# Altium PCB MB_PCB.PcbDoc (part 3 of 4) (continued)
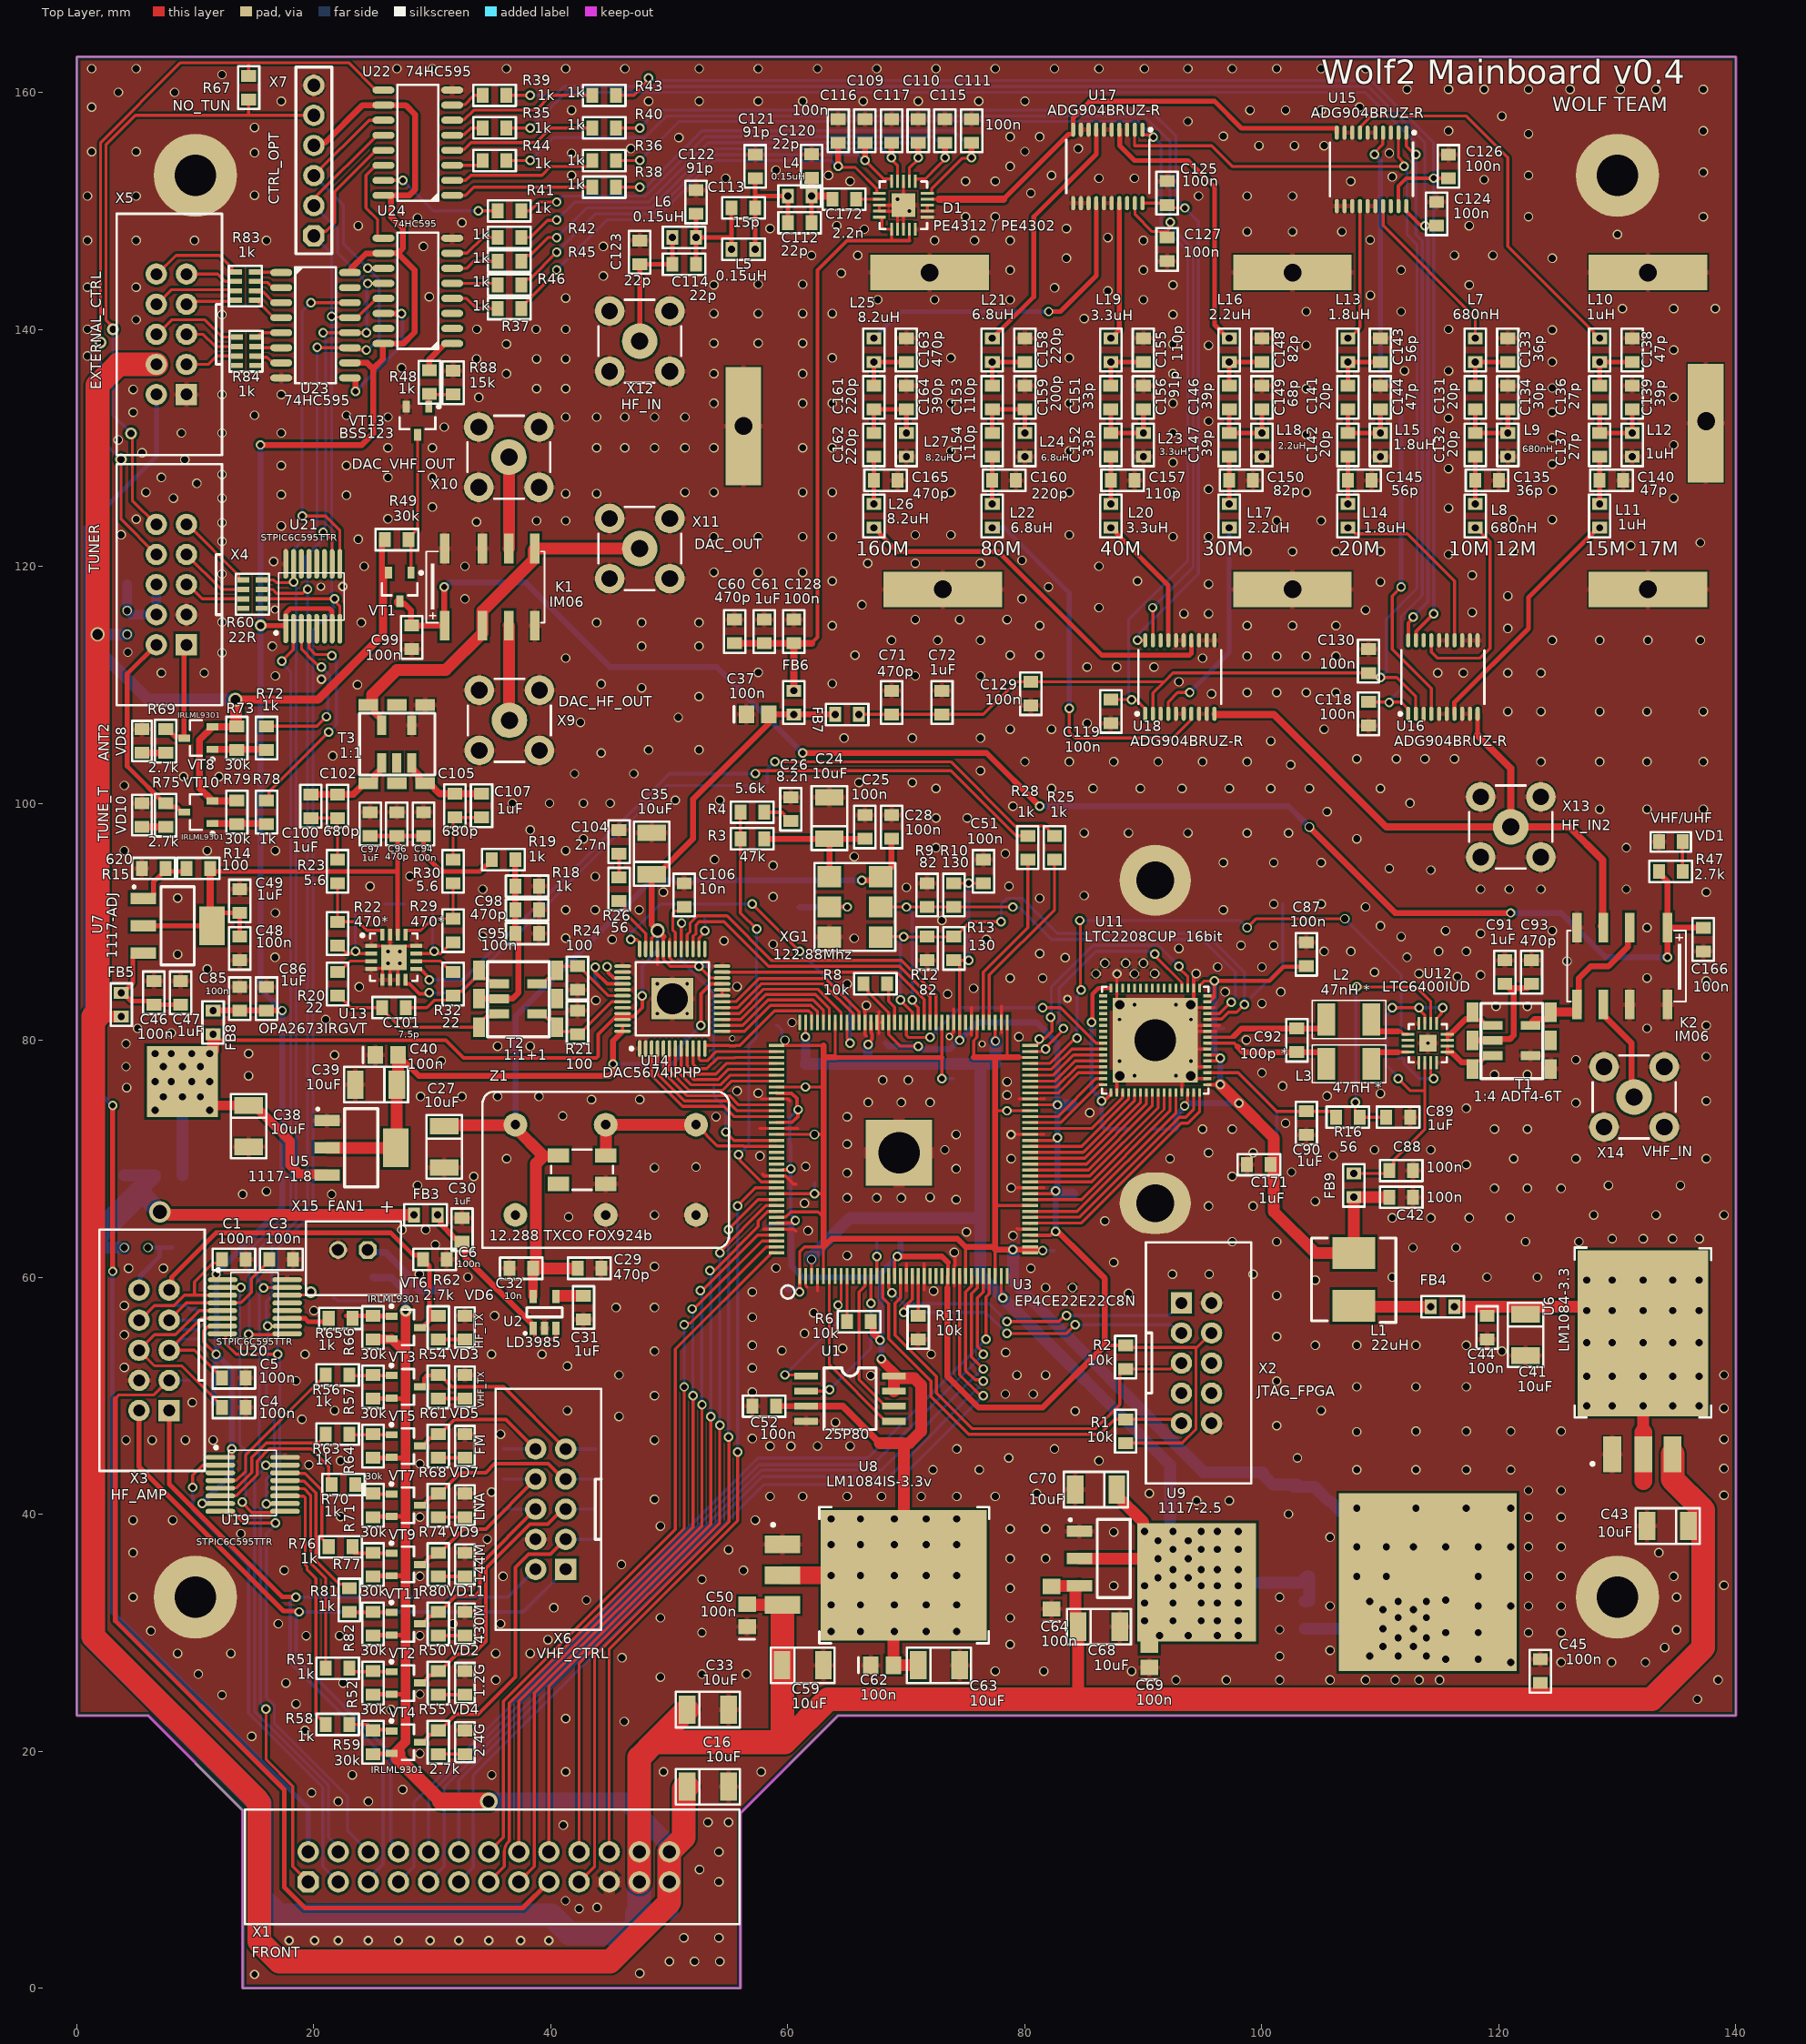
[diagram p0: Top Layer view]
## Nets (pads, with @x,y where several pads share a name; then routed paths per layer and width w, separated by ;. In a path a pad name is that pad's centre, name@x,y a point inside that pad or via, vN(x,y) a via of type N, cw(c..) or ccw(c..) an arc to the next point about the centre after c; other vN are vias at no path point) (continued)
  Top Layer w0.254: U3.15@68,60.1 68,58.25 68.5,57.75 68.5,54.816 72.077,51.239 72.077,49.923 75.25,46.75 86.33,46.75 87.58,48 R1.1@88.5,48 92.462,48 92.792,47.67 X2.9@93.21,47.67
K_1.2G: R51.2 U19.12 | length 18.1
  Top Layer w0.254: U19.12@16.95,42.175 16.966,42.159 19.163,42.159 19.73,41.591 19.73,35.892 21,34.622 R51.2@21,27
K_2.4G: R58.2 U19.11 | length 22.3
  Top Layer w0.254: U19.11@16.95,41.525 19.127,41.525 19.276,41.376 19.276,35.704 19.424,35.556 19.424,35.326 20.173,34.577 20.173,23.077 20.502,22.748 20.627,22.748 21,22.375 R58.2@21,22.25
K_144: R76.2 U19.14 | length 9.2
  Top Layer w0.254: U19.14@16.982,43.443 19.241,43.443 20.673,42.011 20.673,37.952 21,37.625 R76.2@21,37.25
K_430: R81.2 U19.13 | length 13.1
  Top Layer w0.254: U19.13@16.982,42.793 16.997,42.809 18.757,42.809 18.772,42.793 19.17,42.793 20.184,41.78 20.184,36.08 22.179,34.085 22.665,34.085 R81.2@23,33.75
K_FM: R63.2 U19.5 | length 11.6
  Top Layer w0.254: U19.5@12.103,42.19 12.135,42.222 13.466,42.222 14.758,43.514 14.758,44.783 15.975,46 20.375,46 21,46.625 R63.2@21,46.75
K_LNA: R70.2 U19.6 | length 13.2
  Top Layer w0.254: U19.6@12.55,41.525 12.597,41.572 13.458,41.572 15.212,43.326 15.212,44.49 16.222,45.5 19.773,45.5 21.25,44.023 R70.2@21.25,42.5
K_TX: R56.2 U19.4 | length 12.6
  Top Layer w0.254: U19.4@13.003,42.825 13.05,42.872 13.474,42.872 14.25,43.648 14.25,45 20.502,51.252 20.627,51.252 21,51.625 R56.2@21,51.75
K_VHF: R48.1 U24.1 | length 3.5
  Top Layer w0.5: R48.1@29.75,136.541 29.75,137.475 31.077,138.802 U24.1@31.675,138.802 31.704,138.802 U24.1@31.75,138.756
MB_THERM: R85.2 X1.17 X3.3 | length 78
  Top Layer w0.254: 3.25,49.75 3.563,50.063 6.492,50.063 7.719,51.29 X3.3@7.79,51.29
  Top Layer w0.4: 3.25,49.75 3.25,31 17.5,16.75 17.5,8.5 19.25,6.75 37.63,6.75 X1.17@39.84,8.96
  Bottom Layer w0.254: X3.3@7.79,51.29 R85.2@9.5,51.29
NetC24_1: C24.1 C25.1 R3.1 XG1.1 | length 11.7
  Top Layer w0.5: R3.1@58,97 C24.1@63.5,97 ; XG1.1@63.5,93.79 C24.1@63.5,97 ; C25.1@66.5,97 C24.1@63.5,97
NetC26_1: C26.1 R4.2 | length 2.6
  Top Layer w0.3: R4.2@58,99.25 59.5,99.25 59.676,99.074 59.676,98.949 60.125,98.5 C26.1@60.25,98.5
NetC30_1: C30.1 FB3.1 U2.1 U2.3 | length 16.5
  Top Layer w0.3: U2.1@38.515,55.684 38.665,55.534 38.665,55.011 38.926,54.75 40.165,54.75 40.415,55 U2.3@40.415,55.684
  Top Layer w0.5: v1(30.438,65.25) 30.688,65 30.688,64.512 31.95,63.25 32.25,63.25 C30.1@32.5,63 32.75,62.75 32.75,61.698 38.465,55.984 38.465,55.734 U2.1@38.515,55.684
NetC31_1: C31.1 U2.4 | length 2.1
  Top Layer w1: U2.4@40.615,58.435 C31.1@42.75,58.435
NetC41_1: C41.1 C44.1 FB4.2 U6.2 | length 23.6
  Top Layer w1: v1(116.25,57.5) 127.4,57.5 U6.2@127.4,54.925 ; U6.2@127.193,55.133 U6.2@129.56,57.5 ; 132.175,46.9 U6.2@132.175,49.375
  Top Layer w1.5: 132.175,42.8 132.175,46.9
  other v1: 127.4,49.15 129.56,49.15 132.175,49.15 134.655,49.15 136.9,49.15 127.4,51.625 129.56,51.625 132.175,51.625 134.655,51.625 136.9,51.625 127.4,54.475 129.56,54.475 132.175,54.475 134.655,54.475 136.9,54.475 127.4,57.175 129.56,57.175 132.175,57.175 134.655,57.175 136.9,57.175 127.4,59.75 129.56,59.75 132.175,59.75 134.655,59.75 136.9,59.75
NetC46_1: C46.1 C47.1 FB5.1 U7.3 | length 9.8
  Top Layer w0.4: v1(3.75,84) FB5.1@3.875,84 ; U7.3@5.6,87.365 5,87.365 4.725,87.09 4.725,84.85 FB5.1@3.875,84 ; C47.1@8.75,83 C46.1@6.5,83 6.2,83.3 4.575,83.3 FB5.1@3.875,84
NetC88_1: C88.1 FB9.2 U12.1 U12.3 U12.10 | length 30.1
  Top Layer w0.254: v1(107.75,68.75) 110.5,68.75 111.123,69.373 111.123,69.873 113.75,72.5 113.75,75.747 ; v2(111,82.75) v2(113.25,82.75) 113.25,82.602 113.748,82.104 113.748,81.427 U12.3@113.75,81.425 ; v2(111.493,76.75) 112.496,75.747 113.75,75.747 ; U12.10@113.75,78.1 113.75,75.747 ; U12.1@114.75,81.425 114.75,81.846 115.146,82.242 115.146,82.646 v2(115.25,82.75)
  Bottom Layer w0.254: v2(111,82.75) 111,82.602 110.5,82.102 110.5,77.891 111.493,76.898 v2(111.493,76.75) ; v2(113.25,82.75) v2(115.25,82.75)
NetC89_2: C89.2 R16.2 U12.2 | length 22
  Top Layer w0.254: v2(107.877,74.75) 107.877,73.873 R16.2@108.25,73.5 C89.2@110.5,73.5 ; v2(108,84.5) 113,84.5 114.248,83.252 114.248,81.427 U12.2@114.25,81.425
  Bottom Layer w0.254: v2(107.877,74.75) 107.938,74.812 107.938,84.439 v2(108,84.5)
NetC90_2: C90.2 R16.1 U11.3 | length 12.5
  Top Layer w0.254: U11.3@95.4,77.25 98,77.25 101.25,74 C90.2@103.75,74 105.875,74 106.25,73.625 R16.1@106.25,73.5
NetC91_1: C91.1 C93.1 T1.2 T1.8 | length 10.2
  Top Layer w0.5: T1.2@117.79,79.98 T1.8@119.5,79.98 119.63,80.11 120.959,80.11 121.252,80.403 121.252,83.998 C91.1@120.5,84.75 ; C91.1@121,84.4 122.4,84.4 C93.1@122.75,84.75
NetC92_1: C92.1 L2.1 U11.9 | length 10.8
  Top Layer w0.3: U11.9@95.4,80.25 97.549,80.25 97.649,80.35
  Top Layer w0.5: 97.649,80.35 98.299,81 C92.1@102.946,81 104.95,81 105.45,81.5 L2.1@105.45,81.75
NetC92_2: C92.2 L3.1 U11.8 | length 11.1
  Top Layer w0.3: U11.8@95.4,79.75 97.649,79.75 97.94,79.459
  Top Layer w0.5: 97.94,79.459 98.399,79 104.95,79 105.45,78.5 L3.1@105.45,78
NetC95_2: C95.2 C98.2 R18.1 R19.2 T2.2 T2.8 | length 14.9
  Top Layer w0.5: T2.2@33.95,83.5 36.75,83.5 37.25,84 37.25,88.75 C95.2@37,89 C98.2@37,91 R18.1@37,93 R19.2@37,95.25
NetC100_1: C100.1 C102.1 T3.1 T3.7 | length 7.7
  Top Layer w0.6: C100.1@19.673,100.75 23.325,100.75 24.275,101.7 T3.1@24.6,101.7 24.925,101.7 25.125,101.9 25.125,102.36 25.73,102.965 T3.7@25.73,103.41
NetC100_2: C100.2 C102.2 R23.1 | length 5.6
  Top Layer w0.254: C100.2@19.867,98.75 C102.2@22,98.75 R23.1@22,95.25
NetC101_1: C101.1 R20.2 T2.3 T2.9 | length 15.5
  Top Layer w0.254: R20.2@22,83.75 22.125,83.75 23.125,82.75 C101.1@25.75,82.75 25.75,82.625 27.275,81.1 T2.3@33.95,81.1 33.95,81.425 34.502,81.977 35.407,81.977 T2.9@35.66,82.23
NetC101_2: C101.2 R32.2 T2.1 T2.7 | length 9.7
  Top Layer w0.254: C101.2@27.75,82.75 29.528,82.75 30.155,83.377 31.377,83.377 R32.2@31.75,83.75 32.123,84.123 32.498,84.123 T2.1@33.95,85.575 ; T2.1@33.95,85.9 T2.1@33.95,85.575 ; T2.7@35.66,84.77 35.407,85.023 34.827,85.023 34.648,85.202 34.323,85.202 T2.1@33.95,85.575
NetC103_1: C103.1 R27.1 | length 1.7
  Bottom Layer w0.254: C103.1@26,91.5 R27.1@27.65,91.5
NetC103_2: C103.2 R22.2 U13.2 | length 7.3
  Top Layer w0.254: R22.2@22,88 22.125,88 22.8,87.325 U13.2@24.85,87.325
  Bottom Layer w0.254: v2(23.5,87.5) 23.5,91.002 23.998,91.5 C103.2@24,91.5
NetC104_1: C104.1 R26.1 | length 2
  Top Layer w0.3: R26.1@45.75,93.75 C104.1@45.75,95.75
NetC105_1: C105.1 C107.1 T3.3 T3.9 | length 7.5
  Top Layer w0.6: T3.9@28.27,103.41 28.27,102.965 28.875,102.36 28.875,101.9 29.075,101.7 T3.3@29.4,101.7 29.725,101.7 30.625,100.8 C107.1@34.15,100.8
NetC105_2: C105.2 C107.2 R30.1 | length 5.9
  Top Layer w0.254: R30.1@31.75,95.25 31.75,98.65 C105.2@31.9,98.8 C107.2@34.15,98.8
NetC106_1: C106.1 U14.30 | length 4.3
  Top Layer w0.254: U14.30@50.5,87.7 50.5,89.072 50.296,89.276 50.296,90.751 50.445,90.899 50.897,90.899 C106.1@51.25,91.252
NetC108_1: C108.1 U14.39 | length 4
  Top Layer w0.3: v2(44.748,86.192) 44.844,86.096 44.844,85.699 45.293,85.25 U14.39@46.05,85.25
  Bottom Layer w0.3: v2(44.748,86.192) 44.844,86.096 44.844,85.766 45.875,84.735 C108.1@46,84.735
NetC112_1: C112.1 C120.1 C172.2 L4.2 | length 5.4
  Top Layer w0.4: C112.1@62,149.25 v1(62,151.25) ; C172.2@63.475,151.25 C172.2@63.75,150.975
  Top Layer w0.6: C120.1@62,152.773 v1(62,151.25) C172.2@63.475,151.25
NetC112_2: C112.2 C113.1 C121.1 L4.1 L5.2 | length 10.7
  Top Layer w0.4: v1(57.25,146.75) C113.1@57.25,150.25 57.25,151.25 ; C121.1@57.25,152.75 57.25,151.25 ; C112.2@60,149.25 v1(60,151.25) 57.25,151.25
NetC113_2: C113.2 C114.1 C122.1 L5.1 L6.2 | length 10.8
  Top Layer w0.4: C114.1@52.25,145.496 C122.1@52.25,149.75 ; v1(52.25,147.75) 55.25,147.75 ; v1(55.25,146.75) 55.25,147.75 ; C113.2@55.25,150.25 55.25,147.75
NetC114_2: C114.2 C123.1 L6.1 X12.1 | length 11.5
  Top Layer w0.4: X12.1@47.5,139 C123.1@47.5,145.5 50.246,145.5 C114.2@50.25,145.496 v1(50.25,147.75)
NetC131_1: C131.1 C132.2 C134.2 L9.2 | length 6.7
  Top Layer w0.4: C131.1@118,133.25 C132.2@118,131.25 v1(120.75,131.25) C134.2@120.75,133.25
NetC131_2: C131.2 C133.2 L7.1 | length 4.7
  Top Layer w0.4: C131.2@118,135.25 v1(118,137.25) C133.2@120.75,137.25
NetC132_1: C132.1 C135.2 L8.2 | length 4
  Top Layer w0.4: v1(118,125.25) C135.2@118,127.25 C132.1@118,129.25
NetC136_1: C136.1 C137.2 C139.2 L12.2 | length 6.8
  Top Layer w0.4: C136.1@128.5,133.25 C137.2@128.5,131.25 v1(131.25,131.25) C139.2@131.25,133.25
NetC136_2: C136.2 C138.2 L10.1 | length 4.7
  Top Layer w0.4: C136.2@128.5,135.25 v1(128.5,137.25) C138.2@131.25,137.25
NetC137_1: C137.1 C140.2 L11.2 | length 4
  Top Layer w0.4: v1(128.5,125.25) C140.2@128.5,127.25 C137.1@128.5,129.25
NetC141_1: C141.1 C142.2 C144.2 L15.2 | length 6.7
  Top Layer w0.4: C141.1@107.25,133.25 C142.2@107.25,131.25 v1(110,131.25) C144.2@110,133.25
NetC141_2: C141.2 C143.2 L13.1 | length 4.8
  Top Layer w0.4: C141.2@107.25,135.25 v1(107.25,137.25) C143.2@110,137.25
NetC142_1: C142.1 C145.2 L14.2 | length 4
  Top Layer w0.4: v1(107.25,125.25) C145.2@107.25,127.25 C142.1@107.25,129.25
NetC146_1: C146.1 C147.2 C149.2 L18.2 | length 6.8
  Top Layer w0.4: C146.1@97.25,133.25 C147.2@97.25,131.25 v1(100,131.25) C149.2@100,133.25
NetC146_2: C146.2 C148.2 L16.1 | length 4.7
  Top Layer w0.4: C146.2@97.25,135.25 v1(97.25,137.25) C148.2@100,137.25
NetC147_1: C147.1 C150.2 L17.2 | length 4
  Top Layer w0.4: v1(97.25,125.25) C147.1@97.25,129.25
NetC151_1: C151.1 C152.2 C156.2 L23.2 | length 6.7
  Top Layer w0.4: C151.1@87.25,133.249 C152.2@87.25,131.25 v1(90,131.25) C156.2@90,133.25
NetC151_2: C151.2 C155.2 L19.1 | length 4.8
  Top Layer w0.4: C151.2@87.249,135.25 v1(87.25,137.25) C155.2@90,137.25
NetC152_1: C152.1 C157.2 L20.2 | length 4
  Top Layer w0.4: v1(87.25,125.25) C152.1@87.25,129.25
NetC153_1: C153.1 C154.2 C159.2 L24.2 | length 6.7
  Top Layer w0.4: C154.2@77.25,131.25 C153.1@77.25,133.25 C159.2@80,133.25 v1(80,131.25)
NetC153_2: C153.2 C158.2 L21.1 | length 4.7
  Top Layer w0.4: C153.2@77.25,135.25 v1(77.25,137.25) C158.2@80,137.25
NetC154_1: C154.1 C160.2 L22.2 | length 4
  Top Layer w0.4: v1(77.25,125.25) C160.2@77.25,127.25 C154.1@77.25,129.25
NetC161_1: C161.1 C162.2 C164.2 L27.2 | length 6.7
  Top Layer w0.4: C162.2@67.25,131.25 C161.1@67.25,133.25 C164.2@70,133.25 v1(70,131.25)
NetC161_2: C161.2 C163.2 L25.1 | length 4.7
  Top Layer w0.4: C161.2@67.25,135.25 v1(67.25,137.25) C163.2@70,137.25
NetC162_1: C162.1 C165.2 L26.2 | length 4
  Top Layer w0.4: v1(67.25,125.25) C165.2@67.25,127.25 C162.1@67.25,129.25
NetC172_1: C172.1 D1.2 | length 2
  Top Layer w0.254: C172.1@65.75,150.975 D1.2@67.725,150.975
NetC174_2: C174.2 FB10.1 U11.32 U11.49 | length 16.7
  Top Layer w0.3: v2(86.456,74.892) 86.552,74.987 86.812,74.987 87.25,75.425 U11.49@87.25,75.6
  Top Layer w0.35: v2@85.695,81.616 85.695,83.898 86.199,84.402 87.248,84.402 U11.32@87.25,84.4
  Bottom Layer w0.35: v2(85.631,81.526) 85.631,75.839 86.456,75.013 v2(86.456,74.892) 86.456,72.794 C174.2@86.75,72.5 FB10.1@88.75,72.5
NetFB4_1: FB4.1 L1.1 | length 6.7
  Top Layer w0.254: FB4.1@114.159,57.591 v1(114.25,57.5)
  Top Layer w1: L1.1@107.75,57.591 107.841,57.5 v1(114.25,57.5)
NetK1_3: K1.3 X9.1 | length 8
  Top Layer w1: K1.3@36.45,115 36.475,114.975 36.475,107.025 X9.1@36.5,107
NetK1_6: K1.6 X10.1 | length 7.7
  Top Layer w1: K1.6@36.45,121.5 36.455,121.505 36.455,129.205 X10.1@36.46,129.21
NetK2_6: K2.6 X14.1 | length 9.3
  Top Layer w0.5: K2.6@128.8,83 128.8,82.15 131.21,79.74 X14.1@131.21,74.71
NetL2_2: L2.2 U12.5 | length 3.9
  Top Layer w0.3: 111.5,80.75 111.7,80.75 111.95,80.5 U12.5@112.325,80.5
  Top Layer w0.5: L2.2@109.25,81.75 109.25,81.25 109.75,80.75 111.5,80.75
NetL3_2: L3.2 U12.8 | length 3.8
  Top Layer w0.3: 111.5,79 U12.8@112.325,79
  Top Layer w0.5: L3.2@109.25,78 109.25,78.5 109.75,79 111.5,79
NetL7_2: L7.2 U15.17 | length 14.4
  Top Layer w0.254: U15.17@110.225,150.4 110.225,148.775 118,141 v1(118,139.25)
NetL8_1: L8.1 U16.17 | length 17.3
  Top Layer w0.254: U16.17@114.3,113.75 114.3,112.75 114.8,112.25 118.427,112.25 119.25,113.073 119.25,122.088 118.498,122.84 118.498,122.877 118.037,123.338 L8.1@118,123.338
  other v1: 118,123.25
NetL10_2: L10.2 U15.7 | length 33.3
  Top Layer w0.254: U15.7@108.275,156.6 108.275,157.051 108.423,157.199 108.423,157.233 109.19,158 117.25,158 120.75,154.5 120.75,147 128.002,139.748 128.002,139.623 128.375,139.25 v1(128.5,139.25)
NetL11_1: L11.1 U16.7 | length 20.8
  Top Layer w0.4: U16.7@116.25,107.55 116.25,108.5 122.5,114.75 122.5,117.375 128.375,123.25 v1(128.5,123.25)
NetL13_2: L13.2 U15.14 | length 11.6
  Top Layer w0.254: v1(107.25,139.25) 107.375,139.25 108.275,140.15 U15.14@108.275,150.4
NetL14_1: L14.1 U16.14 | length 16
  Top Layer w0.254: U16.14@116.25,113.75 116.25,118.75 112.25,122.75 107.875,122.75 L14.1@107.375,123.25 ; L14.1@107.375,123.25 v1(107.25,123.25) L14.1@107.375,123.25
NetL16_2: L16.2 U17.4 | length 24.2
  Top Layer w0.4: U17.4@87.975,156.85 U17.4@88,156.875 ; U17.4@88,156.832 88,155.507 89.257,154.25 93.75,154.25 96,152 96,140.375 97.125,139.25 v1(97.25,139.25)
NetL17_1: L17.1 U18.4 | length 18.4
  Top Layer w0.254: U18.4@92.1,107.55 92.1,108.551 92.899,109.35 v2(93.901,109.35)
  Bottom Layer w0.4: v2(93.901,109.35) 97.25,112.699 v1(97.25,123.25)
NetL19_2: L19.2 U17.17 | length 11.8
  Top Layer w0.4: v1(87.25,139.25) 87.375,139.25 87.675,139.55 87.675,139.675 87.975,139.975 U17.17@87.975,150.65
NetL20_1: L20.1 U18.17 | length 11.6
  Top Layer w0.4: v1(87.25,123.25) 87.375,123.25 87.748,122.877 87.748,122.752 92.1,118.4 U18.17@92.1,113.75
NetL21_2: L21.2 U17.7 | length 21.3
  Top Layer w0.4: v1(77.25,139.25) 77.375,139.25 77.675,139.55 77.675,139.675 80.75,142.75 80.75,149.5 86.025,154.775 U17.7@86.025,156.85
NetL22_1: L22.1 U18.7 | length 32.4
  Top Layer w0.254: v2@83.75,108.25 v2(83.75,108) 83.75,106 84.25,105.5 92.485,105.5 93.902,106.917 93.902,106.951 94.05,107.099 U18.7@94.05,107.55
  Bottom Layer w0.4: v1(77.25,123.25) 78.25,123.25 83.75,117.75 v2(83.75,108)
NetL25_2: L25.2 U17.14 | length 27.1
  Top Layer w0.4: v2(82,141.5) 83,141.5 86.025,144.525 U17.14@86.025,150.65
  Bottom Layer w0.4: v1(67.25,139.25) 69.5,141.5 v2(82,141.5)
NetL26_1: L26.1 U18.14 | length 32.5
  Top Layer w0.4: v1(67.25,123.25) 67.375,123.25 67.748,122.877 67.748,122.752 69.25,121.25 77.75,121.25 86.5,112.5 93.901,112.5 94.05,112.649 U18.14@94.05,113.75
NetR5_1: R5.1 XG1.2 | length 5.5
  Top Layer w0.3: XG1.2@63.5,91.25 v2(65,91.25)
  Bottom Layer w0.5: R5.1@61,91.25 v2(65,91.25)
NetR6_1: R6.1 U3.9 | length 3.9
  Top Layer w0.254: R6.1@65,56.25 U3.9@65,60.1
NetR7_1: R7.1 U3.14 | length 3.2
  Top Layer w0.254: U3.14@67.5,60.1 v2(67.5,61.75)
  Bottom Layer w0.254: v2(67.5,61.75) R7.1@67.5,63.25
NetR8_2: R8.2 U3.92 | length 3
  Top Layer w0.254: R8.2@68.5,84.25 68.5,83.293 69,82.793 U3.92@69,81.5
NetR11_1: R11.1 U3.21 | length 3.3
  Top Layer w0.254: R11.1@71,56.75 71,57.25 71,59.6 U3.21@71,60.1
NetR14_2: R14.2 R15.2 U7.1 | length 5.3
  Top Layer w0.4: U7.1@5.6,91.965 6.2,91.965 6.475,92.24 6.475,93.35 7.25,94.125 7.25,94.25 R14.2@9.25,94.25
NetR17_1: R17.1 U12.11 | length 5.4
  Top Layer w0.254: U12.11@114.25,78.1 114.252,78.098 114.252,77.146 114.5,76.898 v2(114.5,76.75)
  Bottom Layer w0.254: R17.1@111.493,78.507 111.853,78.507 111.982,78.377 111.982,78.018 113.25,76.75 v2(114.5,76.75)
NetR20_1: R20.1 U13.3 | length 3.2
  Top Layer w0.254: R20.1@22,85.75 22.125,85.75 23.05,86.675 U13.3@24.85,86.675
NetR21_2: R21.2 T2.4 T2.11 U14.43 | length 9.3
  Top Layer w0.254: T2.11@38.84,82.23 39.285,82.23 39.717,81.798 40.177,81.798 40.55,81.425 T2.4@40.55,81.1 40.923,80.727 42.023,80.727 R21.2@42.25,80.5 42.375,80.5 45.116,83.241 46.041,83.241 U14.43@46.05,83.25
NetR22_1: R22.1 R23.2 U13.16 | length 7.7
  Top Layer w0.254: R23.2@22,93.25 R22.1@22,90 23.749,90 24.476,89.273 25.727,89.273 25.775,89.225 U13.16@25.775,88.9
NetR24_2: R24.2 T2.6 T2.10 U14.42 | length 9
  Top Layer w0.254: T2.10@38.84,84.77 39.285,84.77 39.717,85.202 40.177,85.202 40.55,85.575 T2.6@40.55,85.9 40.9,86.25 R24.2@42.25,86.25 42.375,86.25 44.866,83.759 46.041,83.759 U14.42@46.05,83.75
NetR25_1: R25.1 U13.8 | length 66.9
  Top Layer w0.254: v2(58.923,103.5) 73.75,103.5 79.173,98.077 81.673,98.077 82.002,97.748 82.002,97.623 82.375,97.25 R25.1@82.5,97.25
  Top Layer w0.3: U13.8@27.725,85.1 27.725,84.775 27.75,84.75 28.075,84.75 28.921,83.904 29.654,83.904 v2(29.75,84)
  Bottom Layer w0.254: v2(29.75,84) 32.25,84 49.75,101.5 58,101.5 58.25,101.75 58.25,102.852 58.898,103.5 v2(58.923,103.5)
NetR26_2: R26.2 U14.35 | length 5.1
  Top Layer w0.254: R26.2@45.75,91.75 45.875,91.75 46.248,91.377 46.248,90.752 48,89 U14.35@48,87.7
NetR27_2: R27.2 R29.2 U13.11 | length 7.7
  Top Layer w0.254: U13.11@28.65,87.325 30.7,87.325 31.625,88.25 R29.2@31.75,88.25
  Bottom Layer w0.254: R27.2@29.65,91.5 30.023,91.127 30.023,88.03 30.051,88.002 30.051,87.604 v2(30.155,87.5)
NetR28_1: R28.1 U13.9 | length 61.6
  Top Layer w0.254: v2@57.25,102.75 73.75,102.75 79.25,97.25 R28.1@80.25,97.25
  Top Layer w0.3: U13.9@28.65,86.025 28.975,86.025 29.654,85.346 29.654,85.196 v2(29.75,85.1)
  Bottom Layer w0.3: v2(29.75,85.1) 32.6,85.1 50,102.5 v2(57.25,102.5)
NetR29_1: R29.1 R30.2 U13.13 | length 7.8
  Top Layer w0.254: U13.13@27.725,88.9 27.725,89.225 27.773,89.273 29.024,89.273 30.001,90.25 R29.1@31.75,90.25 R30.2@31.75,93.25
NetR31_2: R31.2 U14.40 | length 4.6
  Top Layer w0.3: v2(43.731,86.148) 43.731,85.769 44.75,84.75 U14.40@46.05,84.75
  Bottom Layer w0.3: v2(43.731,86.148) 43.731,85.004 R31.2@44,84.735
NetR32_1: R32.1 U13.10 | length 3.5
  Top Layer w0.254: U13.10@28.65,86.675 30.7,86.675 31.625,85.75 R32.1@31.75,85.75
NetR33_2: R33.2 U14.26 | length 2.8
  Top Layer w0.254: U14.26@52.5,87.7 52.509,87.709 52.509,88.611 53.011,89.113 v2(53.011,89.25)
  Bottom Layer w0.254: R33.2@53,90.25 53.011,90.239 v2(53.011,89.25)
NetR34_1: R34.1 U14.29 | length 15
  Top Layer w0.254: U14.29@51,87.7 51.009,87.709 51.009,89.878 v2(51.023,89.892)
  Bottom Layer w0.254: v2(51.023,89.892) 50.998,89.867 50.998,86.724 53.75,83.972 R34.1@53.75,78.25
NetR47_1: R47.1 VD1.1 | length 2.5
  Top Layer w0.254: R47.1@135.5,94.25 VD1.1@135.5,96.75
NetR48_2: R48.2 R88.1 VT13.1 | length 3.1
  Top Layer w0.254: VT13.1@29.7,133.482 29.7,134.491 R48.2@29.75,134.541 29.791,134.5 R88.1@31.75,134.5
NetR49_2: R49.2 VT1.1 VT13.3 | length 12
  Top Layer w0.254: VT1.1@28.2,119.45 28.2,122.05 R49.2@28,122.25 28,122.375 28.75,123.125 VT13.3@28.75,131.082
NetR50_1: R50.1 VD2.1 | length 2.2
  Top Layer w0.3: R50.1@30.5,24.75 VD2.1@32.75,24.75
NetR51_1: R51.1 R52.2 VT2.1 | length 3.7
  Top Layer w0.3: R51.1@23,27 23.3,26.7 25,26.7 VT2.1@26.55,26.7
NetR54_1: R54.1 VD3.1 | length 2.2
  Top Layer w0.3: R54.1@30.5,49.75 VD3.1@32.75,49.75
NetR55_1: R55.1 VD4.1 | length 2.2
  Top Layer w0.3: R55.1@30.5,19.75 VD4.1@32.75,19.75
NetR56_1: R56.1 R57.2 VT3.1 | length 3.6
  Top Layer w0.254: R56.1@23,51.75 23.05,51.7 VT3.1@26.55,51.7
NetR58_1: R58.1 R59.2 VT4.1 | length 3.8
  Top Layer w0.3: R58.1@23,22.25 24.575,22.25 25.004,21.821 26.429,21.821 VT4.1@26.55,21.7
NetR61_1: R61.1 VD5.1 | length 2.3
  Top Layer w0.3: R61.1@30.5,44.75 VD5.1@32.75,44.75
NetR62_1: R62.1 VD6.1 | length 2.2
  Top Layer w0.3: R62.1@30.5,54.75 VD6.1@32.75,54.75
NetR63_1: R63.1 R64.2 VT5.1 | length 3.6
  Top Layer w0.3: R63.1@23,46.75 23.05,46.7 VT5.1@26.55,46.7
NetR65_1: R65.1 R66.2 VT6.1 | length 3.8
  Top Layer w0.4: R65.1@22.75,56.75 R66.2@25,56.75 25.025,56.725 26.525,56.725 VT6.1@26.55,56.7
NetR68_1: R68.1 VD7.1 | length 2.3
  Top Layer w0.3: R68.1@30.5,39.75 VD7.1@32.75,39.75
NetR69_1: R69.1 VD8.1 | length 2
  Top Layer w0.6: VD8.1@5.5,104.25 R69.1@7.5,104.25
NetR70_1: R70.1 R71.2 VT7.1 | length 3.6
  Top Layer w0.254: R70.1@23.25,42.5 23.25,42.496 23.623,42.123 24.627,42.123 R71.2@25,41.75
  Top Layer w0.3: R71.2@25,41.7 VT7.1@26.55,41.7
NetR72_1: R72.1 R73.2 VT8.1 | length 4.6
  Top Layer w0.6: VT8.1@11.45,104.55 15.95,104.55 R72.1@16,104.5
NetR74_1: R74.1 VD9.1 | length 2.2
  Top Layer w0.3: R74.1@30.5,34.75 VD9.1@32.75,34.75
NetR75_1: R75.1 VD10.1 | length 2
  Top Layer w0.6: VD10.1@5.5,98 R75.1@7.5,98
NetR76_1: R76.1 R77.2 VT9.1 | length 3.9
  Top Layer w0.3: R76.1@23,37.25 23,37.125 23.425,36.7 25,36.7 VT9.1@26.55,36.7
NetR78_1: R78.1 R79.2 VT10.1 | length 4.6
  Top Layer w0.6: VT10.1@11.45,98.3 15.95,98.3 R78.1@16,98.25
NetR80_1: R80.1 VD11.1 | length 2.3
  Top Layer w0.3: R80.1@30.5,29.75 VD11.1@32.75,29.75
NetR81_1: R81.1 R82.2 VT11.1 | length 3.6
  Top Layer w0.3: R81.1@23,31.75 23.05,31.7 VT11.1@26.55,31.7
NetR83_1: R83.1 U23.1 | length 2.3
  Top Layer w0.254: R83.1@15,144.85 15.03,144.82 17.22,144.82 U23.1@17.25,144.79
NetR83_2: R83.2 U23.2 | length 2.5
  Top Layer w0.254: R83.2@15,144.05 15.098,143.952 16.099,143.952 16.531,143.52 U23.2@17.25,143.52
NetR83_3: R83.3 U23.3 | length 2.7
  Top Layer w0.254: R83.3@15,143.25 15.098,143.152 15.723,143.152 16.625,142.25 U23.3@17.25,142.25
NetR83_4: R83.4 U23.4 | length 2.9
  Top Layer w0.254: R83.4@15,142.45 15.275,142.45 15.373,142.352 15.373,142.232 16.625,140.98 U23.4@17.25,140.98
NetR84_1: R84.1 U23.5 | length 2.4
  Top Layer w0.254: R84.1@15.05,139.35 15.325,139.35 15.423,139.448 15.423,139.561 15.572,139.71 U23.5@17.25,139.71
NetR84_2: R84.2 U23.6 | length 2.2
  Top Layer w0.254: R84.2@15.05,138.55 15.325,138.55 15.435,138.44 U23.6@17.25,138.44
NetR84_3: R84.3 U23.7 | length 2.4
  Top Layer w0.254: R84.3@15.05,137.75 15.148,137.652 16.049,137.652 16.531,137.17 U23.7@17.25,137.17
NetR86_1: R86.1 R87.2 VT12.1 | length 5.1
  Bottom Layer w0.254: R86.1@21.623,58.252 21.748,58.252 22,58 R87.2@25,58 25.05,58.05 VT12.1@26.55,58.05
NetT1_1: T1.1 T1.7 U12.15 U12.16 | length 6
  Top Layer w0.3: U12.15@115.65,80 U12.16@115.65,80.5 ; T1.1@117.79,82.38 117.79,82.055 118.14,81.705 118.6,81.705 119.055,81.25 T1.7@119.5,81.25
  Top Layer w0.5: U12.16@115.65,80.5 115.91,80.5 117.215,81.805 117.54,81.805 117.79,82.055 T1.1@117.79,82.38
NetT1_3: T1.3 T1.9 U12.13 U12.14 | length 5.8
  Top Layer w0.3: U12.13@115.65,79 U12.14@115.65,79.5 ; T1.3@117.79,77.58 117.79,77.905 118.14,78.255 118.6,78.255 119.055,78.71 T1.9@119.5,78.71
  Top Layer w0.5: U12.13@115.65,79 116,79 116.845,78.155 117.54,78.155 117.79,77.905 T1.3@117.79,77.58
NetU1_1: U1.1 U3.8 | length 12.2
  Top Layer w0.254: v2(59.75,51.75) 61.455,51.75 U1.1@61.55,51.655 ; v2(64.227,57.656) 64.227,57.803 64.5,58.076 U3.8@64.5,60.1
  Bottom Layer w0.254: v2(59.75,51.75) 64.227,56.227 v2(64.227,57.656)
NetU1_2: U1.2 U3.13 | length 13
  Top Layer w0.254: U1.2@61.55,50.385 63.385,50.385 v2(63.5,50.5) ; v2(67,57.803) U3.13@67,60.1
  Bottom Layer w0.254: v2(63.5,50.5) 67,54 v2(67,57.803)
NetU1_5: U1.5 U3.6 | length 14.9
  Top Layer w0.254: U3.6@63.5,60.1 63.5,52.595 68.25,47.845 U1.5@68.95,47.845
NetU1_6: U1.6 U3.12 | length 12.8
  Top Layer w0.254: U3.12@66.5,60.1 66.5,59.25 66,58.75 66,51.365 68.25,49.115 U1.6@68.95,49.115
NetU15_4: U15.4 U16.4 | length 52
  Top Layer w0.254: v2(109.5,154.75) 109.5,154.898 110.207,155.604 110.207,156.582 U15.4@110.225,156.6 ; v2(111.75,118.25) 111,117.5 111,112.999 114.3,109.699 U16.4@114.3,107.55
  Bottom Layer w0.4: v2(109.5,154.75) 110,154.25 110,136.5 111.75,134.75 v2(111.75,118.25)
OFA: U3.44 U11.60 | length 17.5
  Top Layer w0.254: U3.44@80.45,65.55 84.416,65.55 92.75,73.884 U11.60@92.75,75.6
ON_VHF+: C99.2 C166.2 K1.1 K2.1 R47.2 VT1.3 | length 136
  Top Layer w0.5: VT1.3@27,117.05 27,116.895 27.05,116.845 27.655,116.845 28.207,116.293 28.207,115 K1.1@31.025,115 31,115.025 v2(31,118.25) ; v2(61.25,104.25) 76.75,104.25 v2@81.235,99.765 ; v1(104,98) 111.25,90.75 v2(121,90.75) ; R47.2@133.5,94.25 133.5,94.125 134.225,93.4 K2.1@134.225,89.5 ; v2(134.225,87) K2.1@134.225,89.5 ; C166.2@137.25,89.5 K2.1@134.225,89.5
  Bottom Layer w0.5: v2(31,118.25) 31.047,118.25 31.443,118.646 37.854,118.646 45,111.5 54,111.5 v2(61.25,104.25) ; v2(81.25,99.75) 102.25,99.75 v1(104,98) ; v2(121,90.75) 125.25,90.75 129,87 v2(134.225,87)
PGA: U3.42 U11.64 | length 19.8
  Top Layer w0.254: U3.42@80.45,64.55 80.473,64.573 84.764,64.573 93.191,73 93.75,73 94.75,74 U11.64@94.75,75.6
PREAMP: R17.2 U3.69 | length 49.3
  Top Layer w0.254: U3.69@80.45,78.05 82.121,78.05 84.243,80.172 v2(84.389,80.172) ; v2(84.631,90.1) 84.69,90.04 84.69,84.31 v2(84.75,84.25) ; v1(98.75,89.5) 99.5,90.25 v1(107,90.25)
  Bottom Layer w0.254: v2(84.389,80.172) 84.389,83.741 84.75,84.102 v2(84.75,84.25) ; v2(84.631,90.1) 98.15,90.1 v1(98.75,89.5) ; v1(107,90.25) 111.75,85.5 R17.2@111.75,80.75
RAND: U3.43 U11.63 | length 18.7
  Top Layer w0.254: U3.43@80.75,65.073 84.622,65.073 93.049,73.5 93.56,73.5 94.25,74.19 U11.63@94.25,75.6
RFOUT: D1.14 U15.10 U17.10 | length 39.7
  Top Layer w0.254: D1.14@72.198,150.975 72.753,150.975
  Top Layer w0.4: 78.2,150.975 83.697,156.472 84.05,156.472 84.075,156.497 84.075,157.85 85.475,159.25 96,159.25 98.272,156.978 106.3,156.978 106.325,156.953 U15.10@106.325,156.6
  Top Layer w0.6: 72.753,150.975 78.2,150.975
SHDN: U3.72 U11.19 | length 21.4
  Top Layer w0.254: U3.72@80.45,79.55 80.983,79.55 81.12,79.686 81.12,80.004 81.288,80.172 81.715,80.172 82.293,80.749 82.293,80.96 82.288,80.965 82.288,81.851 v2(82.183,81.955) ; v2(93,86.25) 93,86.102 93.748,85.354 93.748,84.402 U11.19@93.75,84.4
  Bottom Layer w0.254: v2(82.183,81.955) 82.227,81.999 82.227,84.477 85.75,88 91.25,88 v2(93,86.25)
  other v2: 81.203,80.087
SOUT1: U19.9 U20.2 | length 23.2
  Top Layer w0.254: U20.2@12.55,59.125 12.554,59.129 13.824,59.129 v2(13.828,59.134) ; v2(13.942,41.027) 13.942,40.964 14.758,40.148 16.337,40.148 16.414,40.225 U19.9@16.95,40.225
  Bottom Layer w0.254: v2(13.828,59.134) 13.746,59.051 13.746,45.869 14.25,45.364 14.25,41.484 13.942,41.175 v2(13.942,41.027)
SOUT2: U20.9 U21.2 | length 64.3
  Top Layer w0.254: v2@14.5,55.225 14.577,55.148 U20.9@16.938,55.148 ; U20.9@16.939,55.149 16.939,55.214 U20.9@16.95,55.225 ; v2(17.304,112) 18.258,112.954 18.258,114.706 U21.2@18.29,114.737
  Bottom Layer w0.254: v2(14.483,55.197) 14.555,55.269 14.555,62.305 18.045,65.795 18.045,111.111 17.304,111.852 v2(17.304,112)
SOUT3: U21.9 U23.14 | length 28.1
  Top Layer w0.254: v2(19.023,124.25) 21,124.25 22.19,123.06 U21.9@22.19,120.202 ; v2(19.75,142.25) U23.14@23.05,142.25
  Bottom Layer w0.254: v2(19.023,124.25) 19,124.273 19,141.5 v2(19.75,142.25)
SOUT4: U23.9 U24.14 | length 11.4
  Top Layer w0.5: U23.9@23.05,135.9 23.454,135.9 23.5,135.854 v2(23.5,134.75) ; U24.14@25.875,141.342 v2(27.4,141.342)
  Bottom Layer w0.3: v2(23.5,134.75) 27.5,138.75 27.5,139.928 27.496,139.933 27.496,141.246 v2(27.4,141.342)
SOUT5: U22.14 U24.9 | length 7.9
  Top Layer w0.254: U24.9@25.875,147.692 25.537,147.692 25.377,147.852 25.377,149.276 24.403,150.25 24.403,152.995 25.25,153.842 U22.14@25.875,153.842
SOUT_EXT: R67.1 X4.10 X7.5 | length 53.7
  Top Layer w0.254: v4(3.05,140.005) 3.05,140.206 2.454,140.802 2.454,155.562 4.952,158.06 14.5,158.06 ; v4(4.578,131.214) 4.685,131.107 4.685,125.565 X4.10@6.71,123.54 ; R67.1@14.5,159.4 14.5,158.06 ; X7.5@20,158.06 14.5,158.06
  Bottom Layer w0.254: v4(3.05,140.005) 3.05,132.742 v4(4.578,131.214)
SOUT_Tuner: R67.2 U22.9 X4.8 | length 65.2
  Top Layer w0.254: v4@2,139.155 2,155.75 8.75,162.5 14.5,162.5 ; v4(3.731,129.019) 3.731,123.979 X4.8@6.71,121 ; R67.2@14.5,161.4 14.5,162.5 ; U22.9@25.875,160.192 25.25,160.192 22.942,162.5 14.5,162.5
  Bottom Layer w0.254: v4(2,138.905) 2,130.75 v4(3.731,129.019)
SWR_BACKW: X1.8 X3.2 X6.1 | length 71.4
  Top Layer w0.4: X3.2@5.25,48.75 5.25,44 17.423,31.827 18.673,31.827 v2(18.75,31.75)
  Bottom Layer w0.3: X1.8@27.14,11.5 27.14,11.786 26.5,12.426 26.5,19.82 18.5,27.82 18.5,31.75 37.66,31.75 X6.1@41.25,35.34
SWR_FORW: X1.5 X3.1 X6.2 | length 70.1
  Top Layer w0.4: X3.1@7.79,48.75 7.79,42.546 17.33,33.006 18.494,33.006 v2(18.5,33)
  Bottom Layer w0.3: X1.5@24.6,8.96 24.6,9.212 25.85,10.462 25.85,19.65 18,27.5 18,32.574 18.365,32.939 18.365,33 36.37,33 X6.2@38.71,35.34
TCXO_CLK: U3.126 Z1.3 | length 17.8
  Top Layer w0.254: Z1.3@52.25,72.87 54.051,71.069 56.274,71.069 56.293,71.05 U3.126@59.05,71.05
  Top Layer w1: Z1.3@44.635,70.27 44.633,70.272 44.633,72.867 Z1.3@44.63,72.87 Z1.3@52.25,72.87
TN_ANT: R72.2 U21.3 | length 14.1
  Top Layer w0.254: R72.2@16,106.5 20.25,106.5 v2(21.049,107.299) ; U21.3@18.94,114.737 18.972,114.706 18.972,112.997 19.921,112.048 19.944,112.048 20.501,111.491 v2(20.648,111.491)
  Bottom Layer w0.254: v2(20.648,111.491) 20.662,111.491 21.375,110.778 21.375,110.176 21.185,109.986 21.185,107.721 21.154,107.69 21.154,107.404 v2(21.049,107.299)